# Altium PCB NURIP.PcbDoc (part 12 of 14)
Units mil, origin at the board's own origin, x right, y up, seen from the top; angles counter-clockwise.
Board outline 7096.64 x 6702.94 mil, 6 copper layers (L1, L2, L3, L4, L5, L6), stack 48.469 mil thick; 305 components, 426 nets, 2172 pads, 1040 vias.
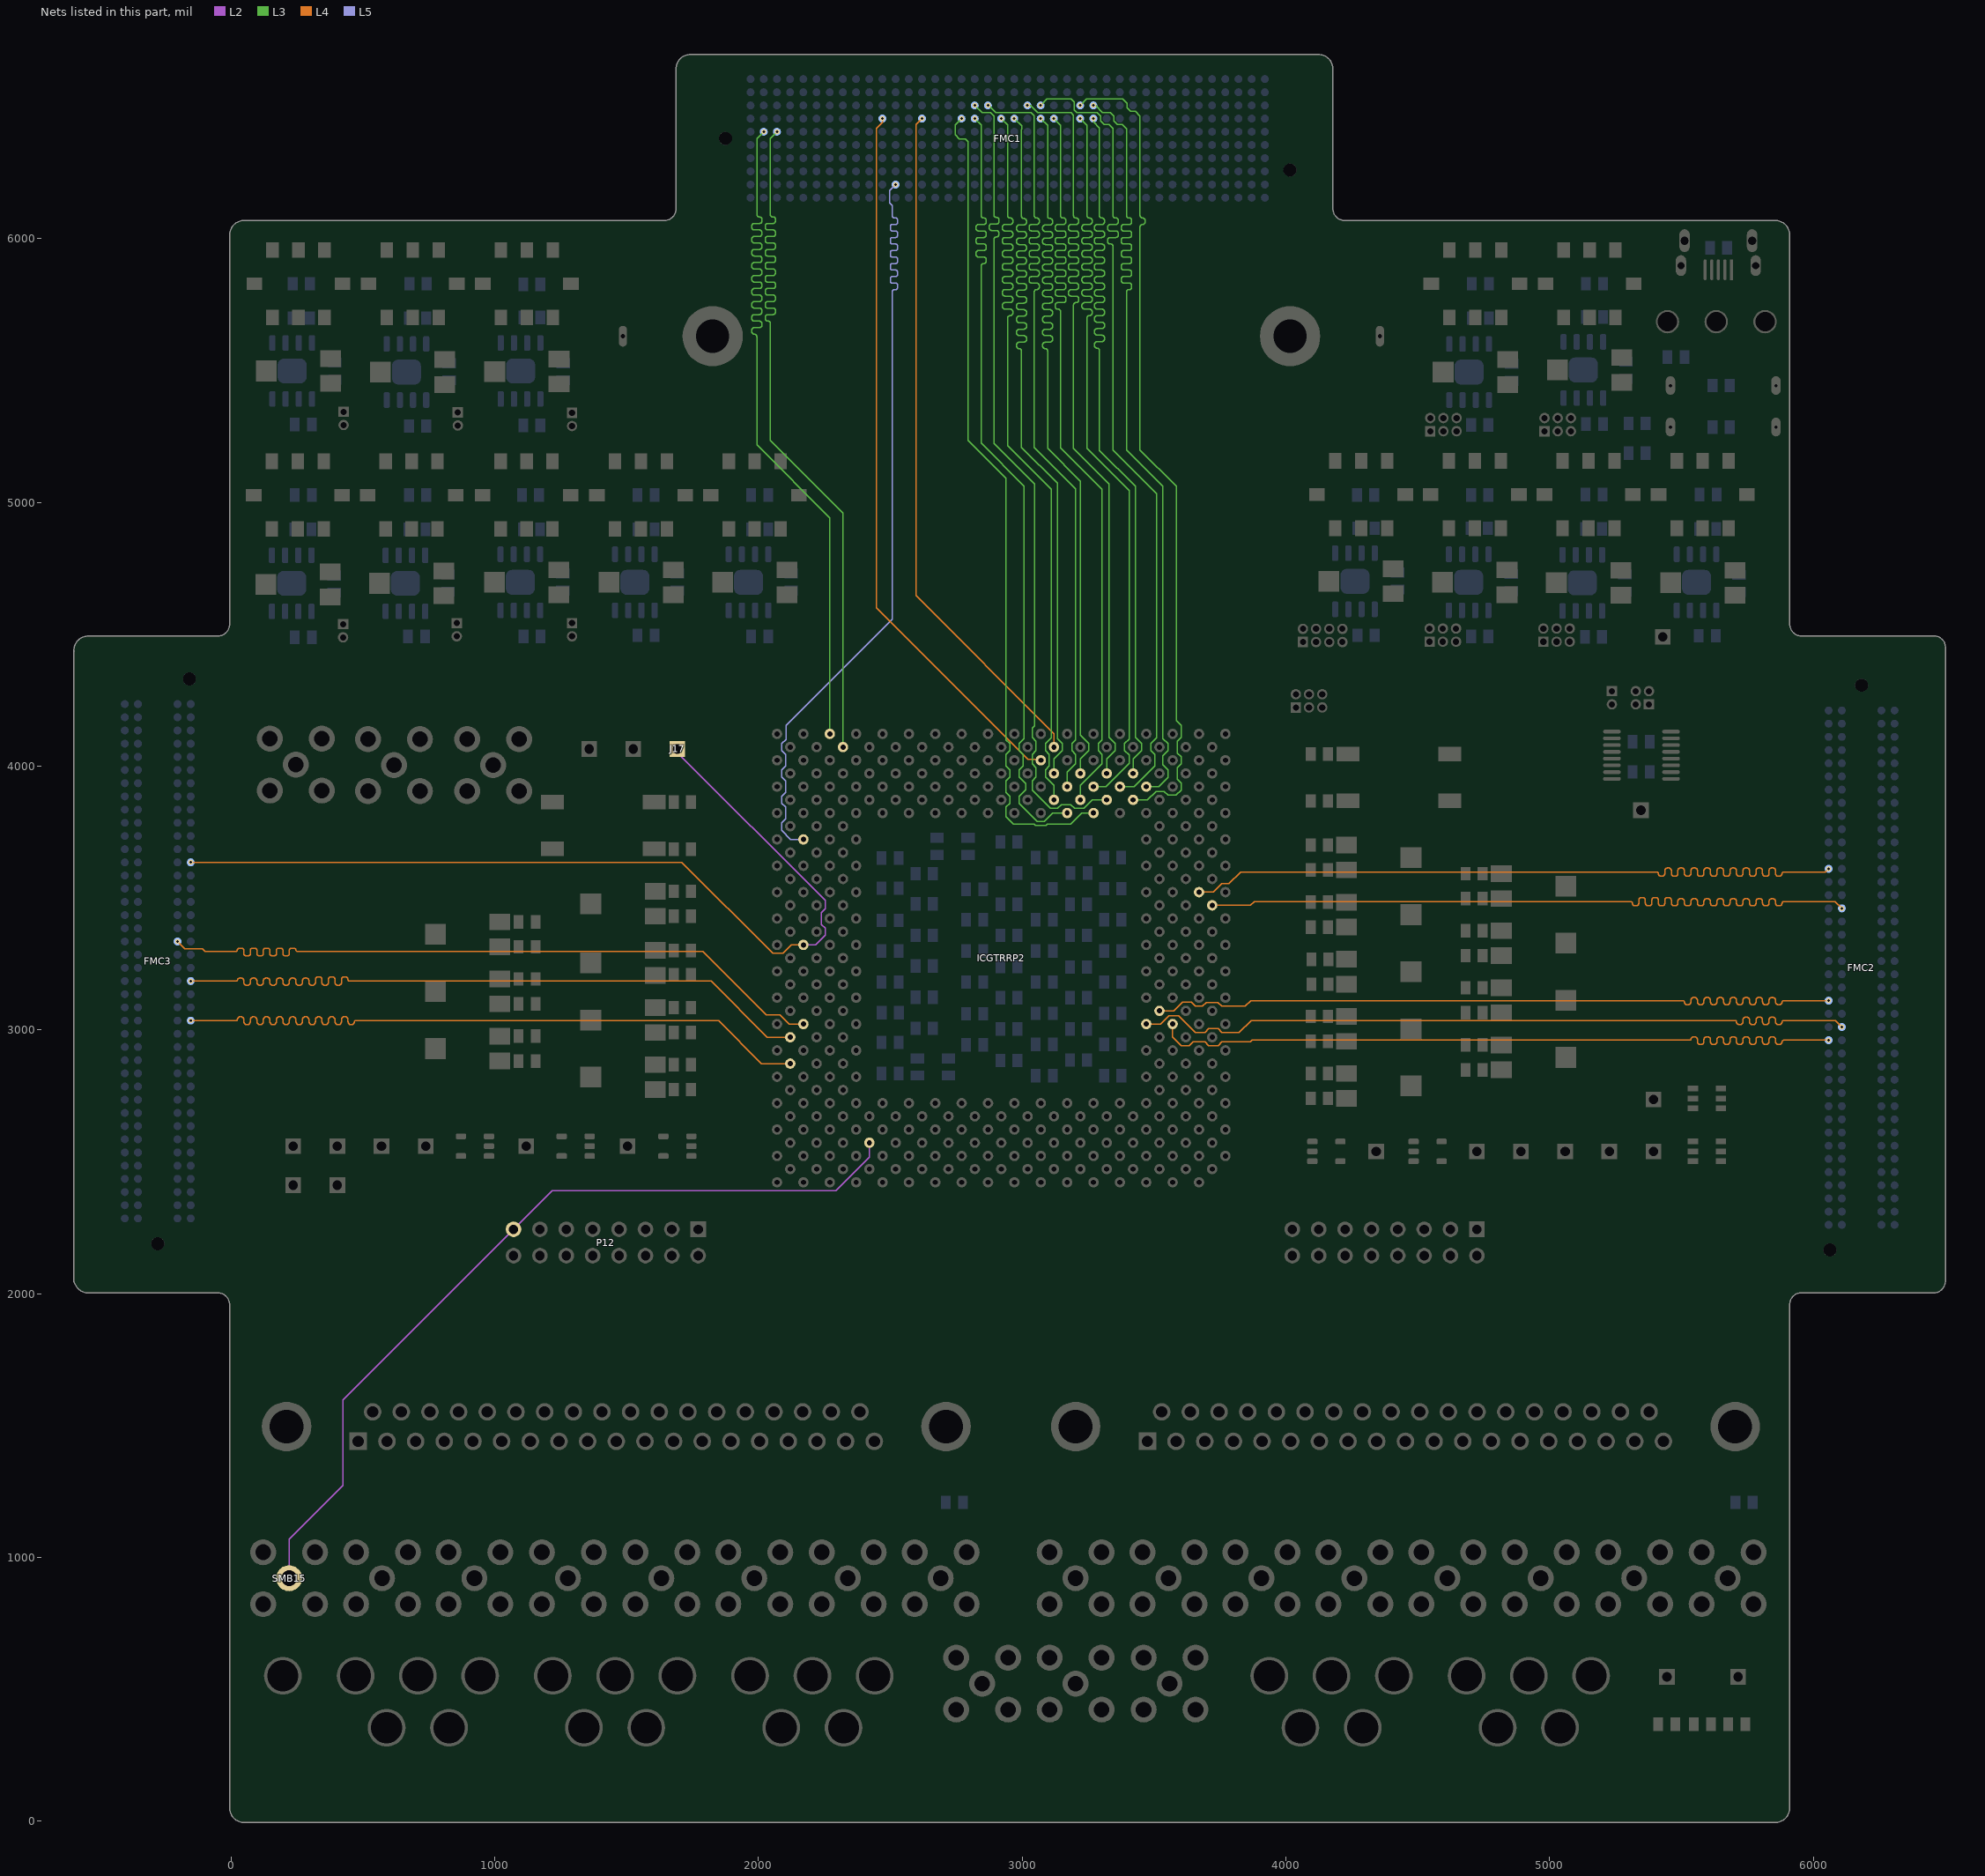
[diagram p16: the nets of this part, all layers, seen from the top]

## Via types
v1: diameter 20, hole 10, L1 to L6, tented both sides, 908 vias
v2: diameter 19.68, hole 7.87, L1 to L6, 126 vias
v3: diameter 196.85, hole 118.11, L1 to L6, 6 vias

## Nets (pads, with @x,y where several pads share a name; then routed paths per layer and width w, separated by ;. In a path a pad name is that pad's centre, name@x,y a point inside that pad or via, vN(x,y) a via of type N, cw(c..) or ccw(c..) an arc to the next point about the centre after c; other vN are vias at no path point) (continued)
OFF_MEM_DOUT(14): FMC1.E2 ICGTRRP2.AR31 | length 2942.7
  L3 w5: v1(2020.24,6404.92) 1994.09,6378.78 1994.09,6094.49 1994.09,6091.96 ccw(c2003.91,6091.96) 2003.91,6082.15 cw(c2003.91,6072.27) 2013.78,6072.27 2013.78,6067.33 cw(c2003.91,6067.33) 2003.91,6057.46 1994.09,6057.46 1984.54,6057.46 ccw(c1984.54,6047.59) 1974.67,6047.59 1974.67,6042.65 ccw(c1984.54,6042.65) 1984.54,6032.78 1994.09,6032.78 2003.3,6032.78 cw(c2003.3,6022.9) 2013.18,6022.9 2013.18,6017.96 cw(c2003.3,6017.96) 2003.3,6008.09 1994.09,6008.09 1984.54,6008.09 ccw(c1984.54,5998.22) 1974.67,5998.22 1974.67,5993.28 ccw(c1984.54,5993.28) 1984.54,5983.41 1994.09,5983.41 2003.3,5983.41 cw(c2003.3,5973.53) 2013.18,5973.53 2013.18,5968.59 cw(c2003.3,5968.59) 2003.3,5958.72 1994.09,5958.72 1984.54,5958.72 ccw(c1984.54,5948.85) 1974.67,5948.85 1974.67,5943.91 ccw(c1984.54,5943.91) 1984.54,5934.04 1994.09,5934.04 2003.3,5934.04 cw(c2003.3,5924.16) 2013.18,5924.16 2013.18,5919.22 cw(c2003.3,5919.22) 2003.3,5909.35 1994.09,5909.35 1984.54,5909.35 ccw(c1984.54,5899.48) 1974.67,5899.48 1974.67,5894.54 ccw(c1984.54,5894.54) 1984.54,5884.67 1994.09,5884.67 2003.3,5884.67 cw(c2003.3,5874.79) 2013.18,5874.79 2013.18,5869.85 cw(c2003.3,5869.85) 2003.3,5859.98 1994.09,5859.98 1984.54,5859.98 ccw(c1984.54,5850.11) 1974.67,5850.11 1974.67,5845.17 ccw(c1984.54,5845.17) 1984.54,5835.3 1994.09,5835.3 2003.3,5835.3 cw(c2003.3,5825.42) 2013.18,5825.42 2013.18,5820.48 cw(c2003.3,5820.48) 2003.3,5810.61 1994.09,5810.61 1984.54,5810.61 ccw(c1984.54,5800.74) 1974.67,5800.74 1974.67,5795.8 ccw(c1984.54,5795.8) 1984.54,5785.93 1994.09,5785.93 2003.3,5785.93 cw(c2003.3,5776.05) 2013.18,5776.05 2013.18,5771.11 cw(c2003.3,5771.11) 2003.3,5761.24 1994.09,5761.24 1984.54,5761.24 ccw(c1984.54,5751.37) 1974.67,5751.37 1974.67,5746.43 ccw(c1984.54,5746.43) 1984.54,5736.56 1994.09,5736.56 2003.3,5736.56 cw(c2003.3,5726.68) 2013.18,5726.68 2013.18,5721.74 cw(c2003.3,5721.74) 2003.3,5711.87 1994.09,5711.87 1984.54,5711.87 ccw(c1984.54,5702) 1974.67,5702 1974.67,5697.06 ccw(c1984.54,5697.06) 1984.54,5687.19 1994.09,5687.19 2003.65,5687.19 cw(c2003.65,5677.31) 2013.52,5677.31 2013.52,5672.37 cw(c2003.65,5672.37) 2003.65,5662.5 1994.09,5662.5 1984.54,5662.5 ccw(c1984.54,5652.63) 1974.67,5652.63 1974.67,5647.69 ccw(c1984.54,5647.69) 1984.54,5637.82 1984.3,5637.82 cw(c1984.28,5628) 1994.09,5628 1994.09,5588.58 1994.09,5218.5 2270.71,4941.89 ICGTRRP2.AR31@2270.71,4122.2
OFF_MEM_DOUT(15): FMC1.E3 ICGTRRP2.AP30 | length 2942.2
  L3 w5: v1(2070.24,6404.92) 2045.28,6379.96 2045.28,6094.49 2045.28,6090.79 ccw(c2053.92,6090.79) 2053.92,6082.15 2055.73,6082.15 cw(c2055.73,6073.51) 2064.37,6073.51 2064.37,6066.1 cw(c2055.73,6066.1) 2055.73,6057.46 2045.28,6057.46 2034.82,6057.46 ccw(c2034.82,6048.82) 2026.18,6048.82 2026.18,6041.42 ccw(c2034.82,6041.42) 2034.82,6032.78 2045.28,6032.78 2055.73,6032.78 cw(c2055.73,6024.14) 2064.37,6024.14 2064.37,6016.73 cw(c2055.73,6016.73) 2055.73,6008.09 2045.28,6008.09 2034.82,6008.09 ccw(c2034.82,5999.45) 2026.18,5999.45 2026.18,5992.05 ccw(c2034.82,5992.05) 2034.82,5983.41 2045.28,5983.41 2055.73,5983.41 cw(c2055.73,5974.77) 2064.37,5974.77 2064.37,5967.36 cw(c2055.73,5967.36) 2055.73,5958.72 2045.28,5958.72 2034.82,5958.72 ccw(c2034.82,5950.08) 2026.18,5950.08 2026.18,5942.68 ccw(c2034.82,5942.68) 2034.82,5934.04 2045.28,5934.04 2055.73,5934.04 cw(c2055.73,5925.4) 2064.37,5925.4 2064.37,5917.99 cw(c2055.73,5917.99) 2055.73,5909.35 2045.28,5909.35 2034.82,5909.35 ccw(c2034.82,5900.71) 2026.18,5900.71 2026.18,5893.31 ccw(c2034.82,5893.31) 2034.82,5884.67 2045.28,5884.67 2055.73,5884.67 cw(c2055.73,5876.03) 2064.37,5876.03 2064.37,5868.62 cw(c2055.73,5868.62) 2055.73,5859.98 2045.28,5859.98 2034.82,5859.98 ccw(c2034.82,5851.34) 2026.18,5851.34 2026.18,5843.94 ccw(c2034.82,5843.94) 2034.82,5835.3 2045.28,5835.3 2055.73,5835.3 cw(c2055.73,5826.66) 2064.37,5826.66 2064.37,5819.25 cw(c2055.73,5819.25) 2055.73,5810.61 2045.28,5810.61 2034.82,5810.61 ccw(c2034.82,5801.97) 2026.18,5801.97 2026.18,5794.57 ccw(c2034.82,5794.57) 2034.82,5785.93 2045.28,5785.93 2055.73,5785.93 cw(c2055.73,5777.29) 2064.37,5777.29 2064.37,5769.88 cw(c2055.73,5769.88) 2055.73,5761.24 2045.28,5761.24 2034.82,5761.24 ccw(c2034.82,5752.6) 2026.18,5752.6 2026.18,5745.2 ccw(c2034.82,5745.2) 2034.82,5736.56 2045.28,5736.56 2055.73,5736.56 cw(c2055.73,5727.92) 2064.37,5727.92 2064.37,5720.51 cw(c2055.73,5720.51) 2055.73,5711.87 2045.28,5711.87 2034.82,5711.87 ccw(c2034.82,5703.23) 2026.18,5703.23 2026.18,5695.83 ccw(c2034.82,5695.83) 2034.82,5687.19 2036.64,5687.19 cw(c2036.64,5678.55) 2045.28,5678.55 2045.28,5592.52 2045.28,5234.25 2320.71,4958.82 ICGTRRP2.AP30@2320.71,4072.2
OFF_MEM_WE: FMC1.J12 ICGTRRP2.AG33 | length 3004
  L5 w5: ICGTRRP2.AG33@2170.71,3722.2 2122.28,3722.2 2088.52,3755.96 2088.52,3785.54 2102.89,3799.91 2102.89,3844.5 2088.52,3858.87 2088.52,3885.54 2102.89,3899.91 2102.89,3944.5 2088.52,3958.87 2088.52,3985.54 2102.89,3999.91 2102.89,4044.5 2088.52,4058.87 2088.52,4085.54 2104.33,4101.34 2104.33,4153.54 2507.87,4557.09 2507.87,5799.27 cw(c2515.28,5799.27) 2515.28,5806.67 2520.19,5806.67 ccw(c2520.19,5814.08) 2527.6,5814.08 2527.6,5823.95 ccw(c2520.19,5823.95) 2520.19,5831.36 2507.72,5831.36 cw(c2507.72,5838.76) 2500.32,5838.76 2500.32,5848.64 cw(c2507.72,5848.64) 2507.72,5856.04 2520.19,5856.04 ccw(c2520.19,5863.45) 2527.6,5863.45 2527.6,5873.32 ccw(c2520.19,5873.32) 2520.19,5880.73 2507.72,5880.73 cw(c2507.72,5888.13) 2500.32,5888.13 2500.32,5898.01 cw(c2507.72,5898.01) 2507.72,5905.41 2520.19,5905.41 ccw(c2520.19,5912.82) 2527.6,5912.82 2527.6,5922.69 ccw(c2520.19,5922.69) 2520.19,5930.1 2507.72,5930.1 cw(c2507.72,5937.5) 2500.32,5937.5 2500.32,5947.38 cw(c2507.72,5947.38) 2507.72,5954.78 2520.19,5954.78 ccw(c2520.19,5962.19) 2527.6,5962.19 2527.6,5972.06 ccw(c2520.19,5972.06) 2520.19,5979.47 2507.72,5979.47 cw(c2507.72,5986.87) 2500.32,5986.87 2500.32,5996.75 cw(c2507.72,5996.75) 2507.72,6004.15 2520.19,6004.15 ccw(c2520.19,6011.56) 2527.6,6011.56 2527.6,6021.43 ccw(c2520.19,6021.43) 2520.19,6028.84 2507.72,6028.84 cw(c2507.72,6036.24) 2500.32,6036.24 2500.32,6046.12 cw(c2507.72,6046.12) 2507.72,6053.52 2520.19,6053.52 ccw(c2520.19,6060.93) 2527.6,6060.93 2527.6,6070.8 ccw(c2520.19,6070.8) 2520.19,6078.21 2515.28,6078.21 cw(c2515.28,6085.61) 2507.87,6085.61 2507.87,6125.98 2497.74,6136.12 2497.74,6182.42 v1(2520.24,6204.92)
P: FMC3.H28 ICGTRRP2.W33 J17.1 | length 3526.9
  L2 w5: J17.1@1692.91,4064.96 1692.91,4051.18 2252.89,3491.2 2252.89,3458.87 2238.52,3444.5 2238.52,3399.91 2252.89,3385.54 2252.89,3358.87 2216.23,3322.2 ICGTRRP2.W33@2170.71,3322.2
  L4 w5: v1(-152.56,3635.2) 1709.29,3635.2 2054.47,3290.02 2093.01,3290.02 2125.19,3322.2 ICGTRRP2.W33@2170.71,3322.2
PER_ADDR(0): FMC1.C26 ICGTRRP2.AK8 | length 3150.2
  L3 w5: v1(3220.24,6504.92) 3244.84,6529.53 3381.89,6529.53 3397.74,6513.68 3397.74,6495.6 3410.92,6482.42 3429,6482.42 3446.85,6464.57 3446.85,6090.55 3446.85,6088.06 ccw(c3456.7,6088.06) 3456.7,6078.21 cw(c3456.7,6068.33) 3466.58,6068.33 3466.58,6063.4 cw(c3456.7,6063.4) 3456.7,6053.52 ccw(c3456.7,6043.67) 3446.85,6043.67 3446.85,5933.07 3446.85,5198.82 3584.65,5061.02 3584.65,4172.03 3602.89,4153.78 3602.89,4108.87 3588.52,4094.5 3588.52,4049.91 3602.89,4035.54 3602.89,4008.87 3588.52,3994.5 3588.52,3949.91 3602.89,3935.54 3602.89,3908.87 3584.04,3890.02 3552.89,3890.02 3538.52,3904.39 3507.38,3904.39 3475.19,3872.2 ICGTRRP2.AK8@3420.71,3872.2
PER_ADDR(1): FMC1.C27 ICGTRRP2.AL7 | length 3151.1
  L3 w5: v1(3270.24,6504.92) 3278.54,6504.92 3305.12,6478.35 3333.63,6478.35 3347.74,6464.24 3347.74,6445.6 3360.92,6432.42 3379.56,6432.42 3395.67,6416.31 3395.67,6090.55 3395.67,6086.85 ccw(c3404.31,6086.85) 3404.31,6078.21 3406.56,6078.21 cw(c3406.56,6069.57) 3415.2,6069.57 3415.2,6062.16 cw(c3406.56,6062.16) 3406.56,6053.52 3395.67,6053.52 3384.78,6053.52 ccw(c3384.78,6044.88) 3376.14,6044.88 3376.14,6037.48 ccw(c3384.78,6037.48) 3384.78,6028.84 3395.67,6028.84 3406.56,6028.84 cw(c3406.56,6020.2) 3415.2,6020.2 3415.2,6012.79 cw(c3406.56,6012.79) 3406.56,6004.15 3395.67,6004.15 3384.78,6004.15 ccw(c3384.78,5995.51) 3376.14,5995.51 3376.14,5988.11 ccw(c3384.78,5988.11) 3384.78,5979.47 3395.67,5979.47 3406.56,5979.47 cw(c3406.56,5970.83) 3415.2,5970.83 3415.2,5963.42 cw(c3406.56,5963.42) 3406.56,5954.78 3395.67,5954.78 3384.78,5954.78 ccw(c3384.78,5946.14) 3376.14,5946.14 3376.14,5938.74 ccw(c3384.78,5938.74) 3384.78,5930.1 3395.67,5930.1 3406.56,5930.1 cw(c3406.56,5921.46) 3415.2,5921.46 3415.2,5914.05 cw(c3406.56,5914.05) 3406.56,5905.41 3395.67,5905.41 3384.78,5905.41 ccw(c3384.78,5896.77) 3376.14,5896.77 3376.14,5889.37 ccw(c3384.78,5889.37) 3384.78,5880.73 3395.67,5880.73 3406.56,5880.73 cw(c3406.56,5872.09) 3415.2,5872.09 3415.2,5864.68 cw(c3406.56,5864.68) 3406.56,5856.04 3395.67,5856.04 3384.78,5856.04 ccw(c3384.78,5847.4) 3376.14,5847.4 3376.14,5840 ccw(c3384.78,5840) 3384.78,5831.36 3395.67,5831.36 3406.56,5831.36 cw(c3406.56,5822.72) 3415.2,5822.72 3415.2,5815.31 cw(c3406.56,5815.31) 3406.56,5806.67 3404.31,5806.67 ccw(c3404.31,5798.03) 3395.67,5798.03 3395.67,5795.28 3395.67,5198.82 3533.46,5061.02 3533.46,4104.97 3552.89,4085.54 3552.89,4058.87 3533.46,4039.44 3533.46,4004.97 3552.89,3985.54 3552.89,3956.44 3518.66,3922.2 ICGTRRP2.AL7@3470.71,3922.2
PER_ADDR(2): FMC1.C18 ICGTRRP2.AK10 | length 3152
  L3 w5: v1(2820.24,6504.92) 2847.74,6477.42 2879.56,6477.42 2892.74,6464.24 2892.74,6092.52 2892.74,6090.03 ccw(c2902.59,6090.03) 2902.59,6080.18 cw(c2902.59,6070.3) 2912.46,6070.3 2912.46,6065.37 cw(c2902.59,6065.37) 2902.59,6055.49 2892.74,6055.49 2884.91,6055.49 ccw(c2884.91,6045.62) 2875.04,6045.62 2875.04,6040.68 ccw(c2884.91,6040.68) 2884.91,6030.81 2892.74,6030.81 2901.87,6030.81 cw(c2901.87,6020.93) 2911.75,6020.93 2911.75,6016 cw(c2901.87,6016) 2901.87,6006.12 ; 2902.11,6006.12 2902.35,6006.12 ; 2902.59,6006.12 ccw(c2902.59,5996.27) 2892.74,5996.27 2892.74,5905.51 2892.74,5223.41 3047.24,5068.9 3047.24,4152.98 3038.52,4144.26 3038.52,4108.87 3052.89,4094.5 3052.89,4058.87 3038.52,4044.5 3038.52,4008.87 3052.89,3994.5 3052.89,3958.87 3038.52,3944.5 3038.52,3908.87 3107.38,3840.02 3134.04,3840.02 3148.41,3854.39 3184.04,3854.39 3198.41,3840.02 3234.04,3840.02 3266.23,3872.2 ICGTRRP2.AK10@3320.71,3872.2
PER_ADDR(3): FMC1.D17 ICGTRRP2.AJ11 | length 3151.1
  L3 w5: v1(2770.24,6454.92) 2746.06,6430.75 2746.06,6393.7 2761.81,6377.95 2785.43,6377.95 2795.28,6368.11 2795.28,5234.25 2938.52,5091 2938.52,4099.91 2952.89,4085.54 2952.89,4058.87 2938.52,4044.5 2938.52,3999.91 2952.89,3985.54 2952.89,3958.87 2938.52,3944.5 2938.52,3899.91 2952.89,3885.54 2952.89,3858.87 2938.52,3844.5 2938.52,3808.87 2967.4,3780 3046.18,3780 3051.16,3775.02 3090.25,3775.02 3095.23,3780 3183.54,3780 3225.75,3822.2 ICGTRRP2.AJ11@3270.71,3822.2
PER_ADDR(4): FMC1.C23 ICGTRRP2.AL9 | length 3143.9
  L3 w5: v1(3070.24,6504.92) 3094.49,6529.17 3185.39,6529.17 3196.85,6517.72 3196.85,6488.19 3207.62,6477.42 3284.39,6477.42 3297.74,6464.07 3297.74,6445.6 3310.92,6432.42 3329.39,6432.42 3344.49,6417.32 3344.49,6090.55 3344.49,6086.85 ccw(c3353.13,6086.85) 3353.13,6078.21 3355.58,6078.21 cw(c3355.58,6069.57) 3364.22,6069.57 3364.22,6062.16 cw(c3355.58,6062.16) 3355.58,6053.52 3344.49,6053.52 3333.4,6053.52 ccw(c3333.4,6044.88) 3324.76,6044.88 3324.76,6037.48 ccw(c3333.4,6037.48) 3333.4,6028.84 3344.49,6028.84 3355.58,6028.84 cw(c3355.58,6020.2) 3364.22,6020.2 3364.22,6012.79 cw(c3355.58,6012.79) 3355.58,6004.15 3344.49,6004.15 3333.4,6004.15 ccw(c3333.4,5995.51) 3324.76,5995.51 3324.76,5988.11 ccw(c3333.4,5988.11) 3333.4,5979.47 3335.85,5979.47 cw(c3335.85,5970.83) 3344.49,5970.83 3344.49,5848.43 3344.49,5198.82 3509.84,5033.46 3509.84,4106.86 3488.52,4085.54 3488.52,4058.87 3502.89,4044.5 3502.89,4000.93 3424.17,3922.2 ICGTRRP2.AL9@3370.71,3922.2
PER_ADDR(5): FMC1.D27 ICGTRRP2.AM8 | length 3151.7
  L3 w5: v1(3270.24,6454.92) 3270.24,6442.36 3293.31,6419.29 3293.31,6090.55 3293.31,6086.83 ccw(c3301.93,6086.83) 3301.93,6078.21 cw(c3301.93,6067.1) 3313.03,6067.1 3313.03,6064.63 cw(c3301.93,6064.63) 3301.93,6053.52 3293.31,6053.52 3284.99,6053.52 ccw(c3284.99,6042.42) 3273.89,6042.42 3273.89,6039.95 ccw(c3284.99,6039.95) 3284.99,6028.84 3293.31,6028.84 3301.62,6028.84 cw(c3301.62,6017.73) 3312.73,6017.73 3312.73,6015.26 cw(c3301.62,6015.26) 3301.62,6004.15 3293.31,6004.15 3284.99,6004.15 ccw(c3284.99,5993.05) 3273.89,5993.05 3273.89,5990.58 ccw(c3284.99,5990.58) 3284.99,5979.47 3293.31,5979.47 3301.62,5979.47 cw(c3301.62,5968.36) 3312.73,5968.36 3312.73,5965.89 cw(c3301.62,5965.89) 3301.62,5954.78 3293.31,5954.78 3284.99,5954.78 ccw(c3284.99,5943.68) 3273.89,5943.68 3273.89,5941.21 ccw(c3284.99,5941.21) 3284.99,5930.1 3293.31,5930.1 3301.62,5930.1 cw(c3301.62,5918.99) 3312.73,5918.99 3312.73,5916.52 cw(c3301.62,5916.52) 3301.62,5905.41 3293.31,5905.41 3284.99,5905.41 ccw(c3284.99,5894.31) 3273.89,5894.31 3273.89,5891.84 ccw(c3284.99,5891.84) 3284.99,5880.73 3293.31,5880.73 3301.62,5880.73 cw(c3301.62,5869.62) 3312.73,5869.62 3312.73,5867.15 cw(c3301.62,5867.15) 3301.62,5856.04 3293.31,5856.04 3284.99,5856.04 ccw(c3284.99,5844.94) 3273.89,5844.94 3273.89,5842.47 ccw(c3284.99,5842.47) 3284.99,5831.36 3293.31,5831.36 3301.62,5831.36 cw(c3301.62,5820.25) 3312.73,5820.25 3312.73,5817.78 cw(c3301.62,5817.78) 3301.62,5806.67 3293.31,5806.67 3284.99,5806.67 ccw(c3284.99,5795.57) 3273.89,5795.57 3273.89,5793.1 ccw(c3284.99,5793.1) 3284.99,5781.99 3293.31,5781.99 3301.62,5781.99 cw(c3301.62,5770.88) 3312.73,5770.88 3312.73,5768.41 cw(c3301.62,5768.41) 3301.62,5757.3 3293.31,5757.3 3284.99,5757.3 ccw(c3284.99,5746.2) 3273.89,5746.2 3273.89,5743.73 ccw(c3284.99,5743.73) 3284.99,5732.62 3293.31,5732.62 3301.62,5732.62 cw(c3301.62,5721.51) 3312.73,5721.51 3312.73,5719.04 cw(c3301.62,5719.04) 3301.62,5707.93 3293.31,5707.93 3284.99,5707.93 ccw(c3284.99,5696.83) 3273.89,5696.83 3273.89,5694.36 ccw(c3284.99,5694.36) 3284.99,5683.25 3293.31,5683.25 3301.62,5683.25 cw(c3301.62,5672.14) 3312.73,5672.14 3312.73,5669.67 cw(c3301.62,5669.67) 3301.62,5658.56 3293.31,5658.56 3284.99,5658.56 ccw(c3284.99,5647.46) 3273.89,5647.46 3273.89,5644.99 ccw(c3284.99,5644.99) 3284.99,5633.88 3293.31,5633.88 3301.62,5633.88 cw(c3301.62,5622.77) 3312.73,5622.77 3312.73,5620.3 cw(c3301.62,5620.3) 3301.62,5609.19 3293.31,5609.19 3284.99,5609.19 ccw(c3284.99,5598.09) 3273.89,5598.09 3273.89,5595.62 ccw(c3284.99,5595.62) 3284.99,5584.51 3284.7,5584.51 cw(c3284.69,5575.89) 3293.31,5575.89 3293.31,5515.75 3293.31,5196.85 3429.13,5061.02 3429.13,4109.3 3452.89,4085.54 3452.89,4058.87 3420.71,4026.69 ICGTRRP2.AM8@3420.71,3972.2
PER_ADDR(6): FMC1.C22 ICGTRRP2.AM10 | length 3146.4
  L3 w5: v1(3020.24,6504.92) 3032.48,6504.92 3059.06,6478.35 3185.04,6478.35 3194.88,6468.5 3194.88,6090.55 3194.88,6086.83 ccw(c3203.5,6086.83) 3203.5,6078.21 cw(c3203.5,6067.1) 3214.61,6067.1 3214.61,6064.63 cw(c3203.5,6064.63) 3203.5,6053.52 3194.88,6053.52 3186.26,6053.52 ccw(c3186.26,6042.42) 3175.16,6042.42 3175.15,6039.95 ccw(c3186.26,6039.95) 3186.26,6028.84 3194.88,6028.84 3203.5,6028.84 cw(c3203.5,6017.73) 3214.61,6017.73 3214.61,6015.26 cw(c3203.5,6015.26) 3203.5,6004.15 3194.88,6004.15 3186.26,6004.15 ccw(c3186.26,5993.05) 3175.16,5993.05 3175.15,5990.58 ccw(c3186.26,5990.58) 3186.26,5979.47 3194.88,5979.47 3203.5,5979.47 cw(c3203.5,5968.36) 3214.61,5968.36 3214.61,5965.89 cw(c3203.5,5965.89) 3203.5,5954.78 3194.88,5954.78 3186.26,5954.78 ccw(c3186.26,5943.68) 3175.16,5943.68 3175.15,5941.21 ccw(c3186.26,5941.21) 3186.26,5930.1 3194.88,5930.1 3203.5,5930.1 cw(c3203.5,5918.99) 3214.61,5918.99 3214.61,5916.52 cw(c3203.5,5916.52) 3203.5,5905.41 3194.88,5905.41 3186.26,5905.41 ccw(c3186.26,5894.31) 3175.16,5894.31 3175.15,5891.84 ccw(c3186.26,5891.84) 3186.26,5880.73 3194.88,5880.73 3203.5,5880.73 cw(c3203.5,5869.62) 3214.61,5869.62 3214.61,5867.15 cw(c3203.5,5867.15) 3203.5,5856.04 3194.88,5856.04 3186.26,5856.04 ccw(c3186.26,5844.94) 3175.16,5844.94 3175.15,5842.47 ccw(c3186.26,5842.47) 3186.26,5831.36 3194.88,5831.36 3203.5,5831.36 cw(c3203.5,5820.25) 3214.61,5820.25 3214.61,5817.78 cw(c3203.5,5817.78) 3203.5,5806.67 3194.88,5806.67 3186.26,5806.67 ccw(c3186.26,5795.57) 3175.16,5795.57 3175.15,5793.1 ccw(c3186.26,5793.1) 3186.26,5781.99 3194.88,5781.99 3203.5,5781.99 cw(c3203.5,5770.88) 3214.61,5770.88 3214.61,5768.41 cw(c3203.5,5768.41) 3203.5,5757.3 ccw(c3203.5,5748.69) 3194.88,5748.69 3194.88,5663.39 3194.88,5204.72 3329.15,5070.45 3329.15,4109.28 3352.89,4085.54 3352.89,4058.87 3320.71,4026.69 ICGTRRP2.AM10@3320.71,3972.2
PER_ADDR(7): FMC1.D26 ICGTRRP2.AL11 | length 3148.4
  L3 w5: v1(3220.24,6454.92) 3246.06,6429.09 3246.06,6090.55 3246.06,6086.83 ccw(c3254.68,6086.83) 3254.68,6078.21 cw(c3254.68,6067.1) 3265.79,6067.1 3265.79,6064.63 cw(c3254.68,6064.63) 3254.68,6053.52 3246.06,6053.52 3237.44,6053.52 ccw(c3237.44,6042.42) 3226.34,6042.42 3226.34,6039.95 ccw(c3237.44,6039.95) 3237.44,6028.84 3246.06,6028.84 3254.68,6028.84 cw(c3254.68,6017.73) 3265.79,6017.73 3265.79,6015.26 cw(c3254.68,6015.26) 3254.68,6004.15 3246.06,6004.15 3237.44,6004.15 ccw(c3237.44,5993.05) 3226.34,5993.05 3226.34,5990.58 ccw(c3237.44,5990.58) 3237.44,5979.47 3246.06,5979.47 3254.68,5979.47 cw(c3254.68,5968.36) 3265.79,5968.36 3265.79,5965.89 cw(c3254.68,5965.89) 3254.68,5954.78 3246.06,5954.78 3237.44,5954.78 ccw(c3237.44,5943.68) 3226.34,5943.68 3226.34,5941.21 ccw(c3237.44,5941.21) 3237.44,5930.1 3246.06,5930.1 3254.68,5930.1 cw(c3254.68,5918.99) 3265.79,5918.99 3265.79,5916.52 cw(c3254.68,5916.52) 3254.68,5905.41 3246.06,5905.41 3237.44,5905.41 ccw(c3237.44,5894.31) 3226.34,5894.31 3226.34,5891.84 ccw(c3237.44,5891.84) 3237.44,5880.73 3246.06,5880.73 3254.68,5880.73 cw(c3254.68,5869.62) 3265.79,5869.62 3265.79,5867.15 cw(c3254.68,5867.15) 3254.68,5856.04 3246.06,5856.04 3237.44,5856.04 ccw(c3237.44,5844.94) 3226.34,5844.94 3226.34,5842.47 ccw(c3237.44,5842.47) 3237.44,5831.36 3246.06,5831.36 3254.68,5831.36 cw(c3254.68,5820.25) 3265.79,5820.25 3265.79,5817.78 cw(c3254.68,5817.78) 3254.68,5806.67 3246.06,5806.67 3237.44,5806.67 ccw(c3237.44,5795.57) 3226.34,5795.57 3226.34,5793.1 ccw(c3237.44,5793.1) 3237.44,5781.99 3246.06,5781.99 3254.68,5781.99 cw(c3254.68,5770.88) 3265.79,5770.88 3265.79,5768.41 cw(c3254.68,5768.41) 3254.68,5757.3 3246.06,5757.3 3237.44,5757.3 ccw(c3237.44,5746.2) 3226.34,5746.2 3226.34,5743.73 ccw(c3237.44,5743.73) 3237.44,5732.62 3246.06,5732.62 3254.68,5732.62 cw(c3254.68,5721.51) 3265.79,5721.51 3265.79,5719.04 cw(c3254.68,5719.04) 3254.68,5707.93 ccw(c3254.68,5699.31) 3246.06,5699.31 3246.06,5637.8 3246.06,5204.72 3405.51,5045.28 3405.51,4102.52 3388.52,4085.54 3388.52,4058.87 3405.51,4041.89 3405.51,4009.84 3317.87,3922.2 ICGTRRP2.AL11@3270.71,3922.2
PER_ADDR(8): FMC1.D24 ICGTRRP2.AK12 | length 3145.4
  L3 w5: v1(3120.24,6454.92) 3145.67,6429.49 3145.67,6090.55 3145.67,6086.85 ccw(c3154.31,6086.85) 3154.31,6078.21 3156.76,6078.21 cw(c3156.76,6069.57) 3165.4,6069.57 3165.4,6062.16 cw(c3156.76,6062.16) 3156.76,6053.52 3145.67,6053.52 3134.58,6053.52 ccw(c3134.58,6044.88) 3125.94,6044.88 3125.94,6037.48 ccw(c3134.58,6037.48) 3134.58,6028.84 3145.67,6028.84 3156.76,6028.84 cw(c3156.76,6020.2) 3165.4,6020.2 3165.4,6012.79 cw(c3156.76,6012.79) 3156.76,6004.15 3145.67,6004.15 3134.58,6004.15 ccw(c3134.58,5995.51) 3125.94,5995.51 3125.94,5988.11 ccw(c3134.58,5988.11) 3134.58,5979.47 3145.67,5979.47 3156.76,5979.47 cw(c3156.76,5970.83) 3165.4,5970.83 3165.4,5963.42 cw(c3156.76,5963.42) 3156.76,5954.78 3145.67,5954.78 3134.58,5954.78 ccw(c3134.58,5946.14) 3125.94,5946.14 3125.94,5938.74 ccw(c3134.58,5938.74) 3134.58,5930.1 3145.67,5930.1 3156.76,5930.1 cw(c3156.76,5921.46) 3165.4,5921.46 3165.4,5914.05 cw(c3156.76,5914.05) 3156.76,5905.41 3145.67,5905.41 3134.58,5905.41 ccw(c3134.58,5896.77) 3125.94,5896.77 3125.94,5889.37 ccw(c3134.58,5889.37) 3134.58,5880.73 3145.67,5880.73 3156.76,5880.73 cw(c3156.76,5872.09) 3165.4,5872.09 3165.4,5864.68 cw(c3156.76,5864.68) 3156.76,5856.04 3145.67,5856.04 3134.58,5856.04 ccw(c3134.58,5847.4) 3125.94,5847.4 3125.94,5840 ccw(c3134.58,5840) 3134.58,5831.36 3145.67,5831.36 3156.76,5831.36 cw(c3156.76,5822.72) 3165.4,5822.72 3165.4,5815.31 cw(c3156.76,5815.31) 3156.76,5806.67 3145.67,5806.67 3134.58,5806.67 ccw(c3134.58,5798.03) 3125.94,5798.03 3125.94,5790.63 ccw(c3134.58,5790.63) 3134.58,5781.99 3145.67,5781.99 3156.76,5781.99 cw(c3156.76,5773.35) 3165.4,5773.35 3165.4,5765.94 cw(c3156.76,5765.94) 3156.76,5757.3 3145.67,5757.3 3134.58,5757.3 ccw(c3134.58,5748.66) 3125.94,5748.66 3125.94,5741.26 ccw(c3134.58,5741.26) 3134.58,5732.62 3137.03,5732.62 cw(c3137.03,5723.98) 3145.67,5723.98 3145.67,5625.98 3145.67,5206.69 3302.89,5049.47 3302.89,4099.91 3288.52,4085.54 3288.52,4058.87 3302.89,4044.5 3302.89,4008.87 3220.71,3926.69 ICGTRRP2.AK12@3220.71,3872.2